# Altium PCB fMAX_MB.PcbDoc (part 12 of 13)
Units mil, origin at the board's own origin, x right, y up, seen from the top; angles counter-clockwise.
Board outline 9175 x 6300 mil, 14 copper layers (TopLayer, Gnd1, MidLayer1, Power1, MidLayer4, Power2, MidLayer2, Power3, MidLayer3, Gnd3, MidLayer6, Gnd2, MidLayer5, BottomLayer); 679 components, 896 nets, 4133 pads, 2341 vias.
Unrouted connection lines stored in the file: 4.
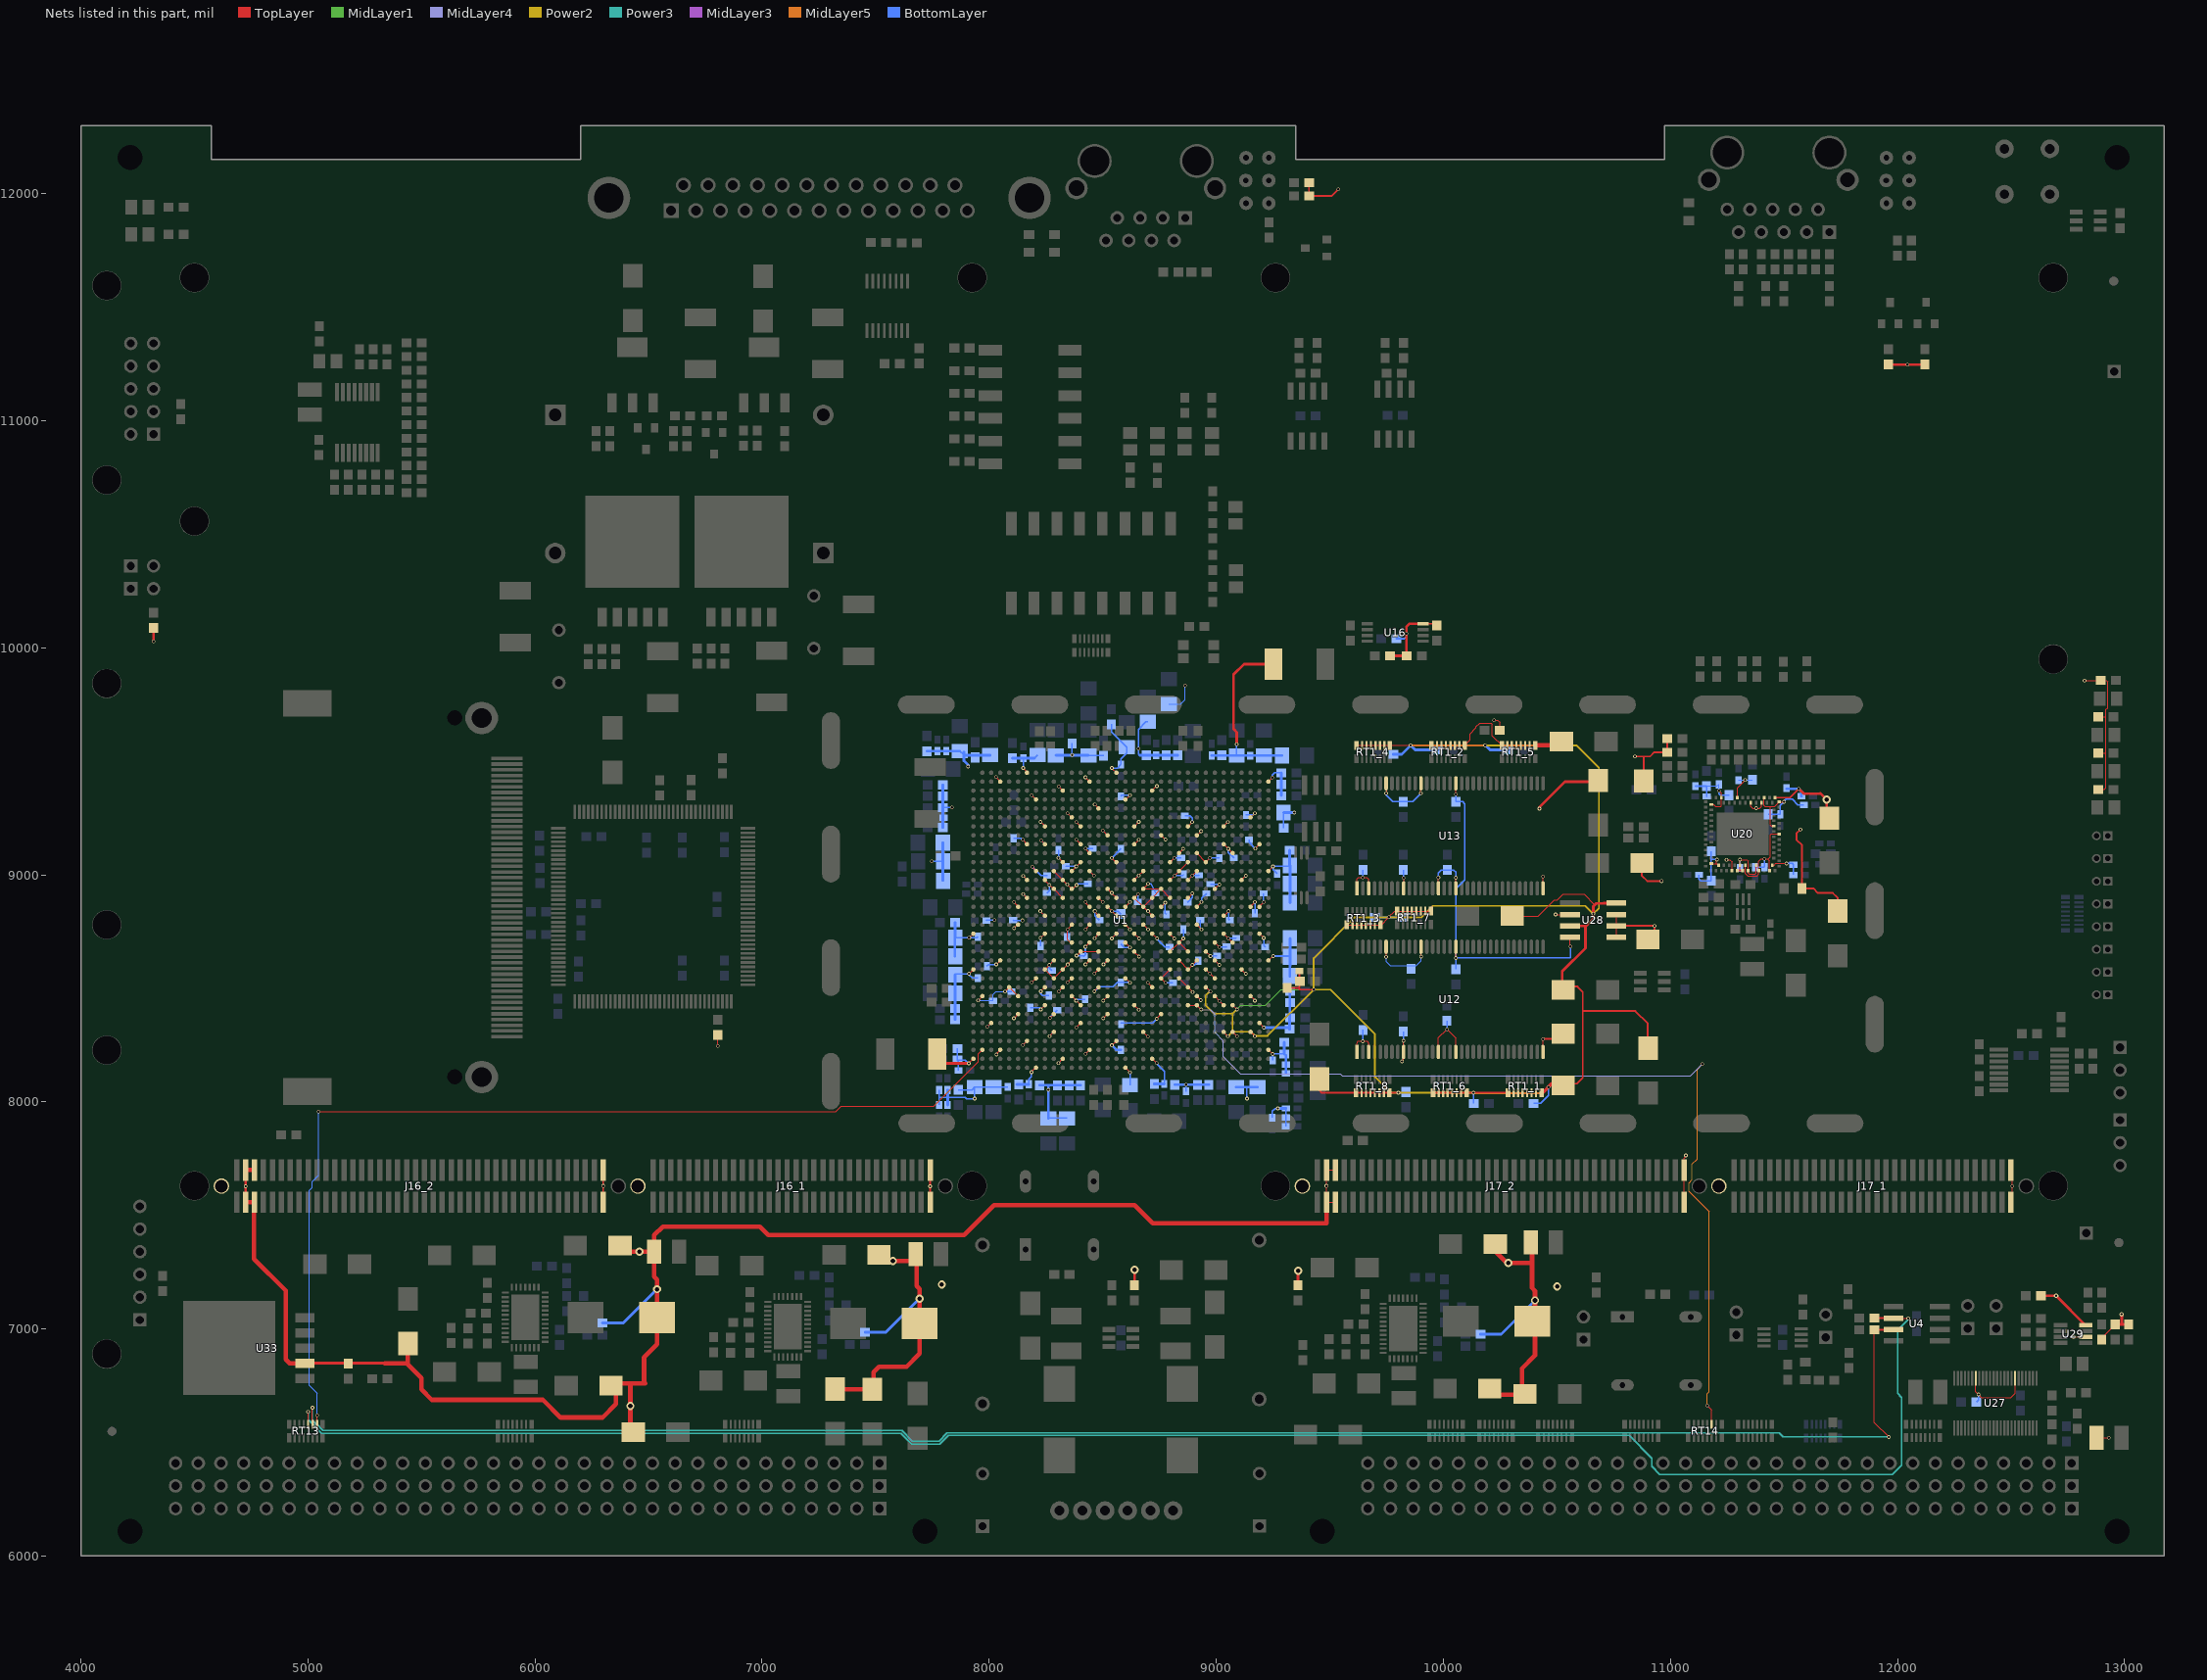
[diagram p24: the nets of this part, all layers, seen from the top]

## Via types
v1: diameter 16, hole 10, TopLayer to BottomLayer, tented both sides, 2192 vias
v2: diameter 36, hole 20, TopLayer to BottomLayer, tented both sides, 84 vias
v3: diameter 20, hole 10, TopLayer to BottomLayer, tented both sides, 61 vias
v4: diameter 160, hole 125, TopLayer to BottomLayer, tented both sides, 4 vias

## Nets (pads, with @x,y where several pads share a name; then routed paths per layer and width w, separated by ;. In a path a pad name is that pad's centre, name@x,y a point inside that pad or via, vN(x,y) a via of type N, cw(c..) or ccw(c..) an arc to the next point about the centre after c; other vN are vias at no path point) (continued)
VME_UD17: RT13.2 U1.AN32 | length 4464.6
  TopLayer w5: v1(5040,6620) 5040.32,6619.68 RT13.2@5040.32,6580 ; v1@5047.42,7957.5 7323.64,7957.5 7347.44,7981.3 7756.89,7981.3 7952,8176.41 7952,8212 7969.13,8229.13 U1.AN32@7969.76,8229.13
  BottomLayer w5: v1(5040,6620) 5040,6718 5006,6752 5006,7609 5019,7622 5019,7648 5047.5,7676.5 v1(5047.5,7957.5)
VME_UD18: R117.2 RT13.3 U4.7 | length 7713.7
  TopLayer w5: RT13.3@5019.69,6580.94 v1(5019.69,6653.54) ; R117.2@11897.46,6997 11897.46,6588.54 v1(11962,6524)
  TopLayer w8: R117.2@11897.46,6997 U4.7@11980.69,6997
  Power3 w6: v1(5019.69,6653.54) 5019.69,6598.43 5066,6552 7615,6552 7661,6506 7779,6506 7815,6542 11478,6542 11496,6524 v1(11962,6524)
VME_UD19: R116.2 RT13.4 U4.6 | length 8107.8
  TopLayer w5: RT13.4@5001,6579.74 v1(5001,6635) ; U4.6@11981.58,7047.88 v1@12051.88,7047.88
  TopLayer w8: R116.2@11897.46,7048 U4.6@11981.46,7048
  Power3 w6: v1(5001,6635) 5001,6600 5060,6541 7610.44,6541 7658.44,6493 7782,6493 7820,6531 10818,6531 10918,6431 10918,6395 10953,6360 11978,6360 12019,6401 12019,6698 12000,6717 12000,6996 v1@12051.88,7047.88
  other v1: 12047.24,7047.24
VME_WRITE_1: RT14.3 U1.J27 U1.K27 | length 4163.2
  TopLayer w5: U1.K27@8875.28,8425.98 U1.J27@8914.65,8425.98 v1(8934,8406.63) ; v1(11161.42,6663.39) 11181.63,6643.17 RT14.3@11181.63,6580.27
  MidLayer5 w5: v1@11140.75,8166.34 11118.11,8143.7 11118.11,7748.91 11095.47,7726.27 11095.47,7656.5 11081.85,7642.88 11081.85,7605.16 11170.28,7516.73 11170.28,6724.41 11161.42,6715.55 v1(11161.42,6663.39)
  MidLayer4 w5: v1(8934,8406.63) 8974.28,8406.63 8994.09,8386.81 8994.09,8306.1 9031.5,8268.7 9031.5,8197.83 9105.32,8124.02 9545.28,8124.02 9555.12,8114.17 11087.6,8114.17 v1(11139.76,8166.34)
VOUT1: C10_1.1 C11_1.1 C12_1.1 C15_1.1 C325.1 J16_2.79 J16_2.80 J16_2.81 J16_2.82 J17_2.79 J17_2.80 J17_2.81 J17_2.82 L3_1.2 R41_1.2 R154.2 U33.2 | length 7673.6
  TopLayer w5: J17_2.79@9524.57,7558.27 J17_2.81@9485.2,7558.27 J17_2.82@9485.2,7700 J17_2.80@9524.57,7700
  TopLayer w12: J16_2.81@4725.2,7558.27 J16_2.82@4725.2,7700 ; U33.2@4986.34,6849.07 5337.84,6849.07 ; R154.2@5177.39,6849.07 R154.2@5178,6848.46
  TopLayer w20: J16_2.81@4725.2,7558.27 J16_2.79@4764.57,7558.27 ; J16_2.82@4725.2,7700 J16_2.80@4764.57,7700 ; J16_2.79@4763,7558.27 4763,7308 4902,7169 4902,6866 4918.93,6849.07 U33.2@4986.34,6849.07 ; 5337.84,6849.07 5434.93,6849.07 5500,6784 5500,6734 5546,6688 6035,6688 6113,6610 6297,6610 6356.77,6669.77 6356.77,6760 6485,6760 6480,6765 6480,6875 6537.48,6932.48 6537.48,7217.52 6524.88,7230.12 C15_1.1@6524.88,7340 ; 5440,6845 C325.1@5440,6930 ; C11_1.1@6336.77,7340 6525,7340 6525,7413 6563,7451 6990,7451 7027,7414 7890,7414 8021,7545 8641,7545 8720,7466 9485,7466 9485.2,7466.2 J17_2.81@9485.2,7558.27 ; 6420,6760 6420,6558.57 C12_1.1@6432.57,6546
  BottomLayer w12: R41_1.2@6297.46,7026 6388.48,7026 v2(6537.48,7175)
  other v1: 4725.2,7628 9485.2,7630
  other v2: 6420,6661 6460,7340
VOUT2: C10_2.1 C11_2.1 C12_2.1 C15_2.1 C27.1 C28.1 C29.1 C32.2 C33.2 C34.2 C35.2 C36.2 C37.2 C38.2 C39.2 C42.2 C46.1 C47.1 C48.1 C49.1 C50.1 C51.1 C52.1 C53.1 C54.1 C55.1 C56.1 C57.1 C58.1 C59.1 C60.1 C61.1 C62.1 C63.1 C64.1 C65.1 C66.1 C67.2 C68.2 C69.2 C70.2 C71.2 C72.2 C73.2 C74.2 C75.2 C76.2 C77.2 C78.2 C79.2 C80.2 C81.2 C82.2 C83.2 C84.2 C85.2 C86.2 C87.2 C88.2 C89.2 C90.2 C91.2 C92.2 C93.2 C94.2 C95.2 C96.2 C97.2 C98.2 C99.2 C100.2 C101.2 C102.2 C103.2 C104.2 C105.2 C106.2 C107.2 C108.2 C109.2 C110.2 C111.2 C130.2 C131.2 C132.2 C133.2 C134.2 C135.2 C136.2 C137.2 C138.2 C139.2 C140.2 C141.2 C142.2 C143.2 C144.2 C145.2 C146.2 C147.2 C148.1 C236.2 C237.2 C238.2 C239.2 C240.2 C241.2 C242.2 C243.1 C244.2 C245.2 C246.1 C265.2 C266.2 C267.2 C268.2 C269.2 C270.1 CT3.1 CT4.1 J16_1.1 J16_1.2 J16_2.1 J16_2.2 J17_1.1 J17_1.2 J17_2.1 J17_2.2 L3.1 L3_2.2 R15.2 R19.1 R21.2 R22.2 R41_2.2 R50.2 R52.1 R53.2 R55.2 R56.1 R59.2 R61.2 R64.2 R75.2 R78.2 R82.2 R95.2 R101.2 R103.2 R127.2 R129.2 R134.2 R135.2 U1.A2 U1.A12 U1.A22 U1.A32 U1.AA2 U1.AA10 U1.AA12 U1.AA22 U1.AA32 U1.AB9 U1.AB27 U1.AB29 U1.AC6 U1.AC24 U1.AC26 U1.AD3 U1.AD11 U1.AD33 U1.AE30 U1.AF7 U1.AF17 U1.AF25 U1.AF27 U1.AG4 U1.AG12 U1.AG24 U1.AG34 U1.AH1 U1.AH9 U1.AH31 U1.AJ16 U1.AJ18 U1.AJ26 U1.AJ28 U1.AK25 U1.AL2 U1.AL22 U1.AL32 U1.AM29 U1.AN26 U1.AP19 U1.AP23 U1.AP33 U1.B9 U1.B16 U1.B19 U1.B29 U1.C6 U1.C16 U1.C26 U1.D13 U1.D23 U1.E10 U1.E20 U1.E30 U1.F7 U1.F9 U1.F17 U1.F19 U1.F27 U1.G14 U1.G24 U1.G26 U1.H11 U1.H21 U1.H23 U1.J8 U1.J10 U1.J18 U1.K15 U1.K25 U1.L24 U1.M11 U1.M19 U1.N8 U1.N16 U1.P3 U1.P25 U1.P33 U1.R18 U1.R30 U1.T7 U1.T9 U1.T27 U1.U4 U1.U16 U1.U24 U1.U34 U1.V1 U1.V11 U1.V19 U1.V31 U1.W8 U1.W26 U1.W28 U1.Y5 U1.Y15 U1.Y17 U1.Y25 U12.1 U12.3 U12.9 U12.15 U12.18 U12.33 U12.55 U12.61 U13.1 U13.3 U13.9 U13.15 U13.18 U13.33 U13.55 U13.61 U16.8 U20.5 U20.21 U20.26 U20.48 U20.52 U20.59 U20.60 U20.61 U20.63 U20.66 U20.72 U20.88 U20.96 U27.7 U27.18 U28.2 U28.5 U28.6 U28.7 U29.8 | length 17495.7
  TopLayer w4: U20.48@11180,9049.45 11202,9049.45 ; U20.26@11180,9309.29 11188.71,9309.29 11198,9300 11223,9300 ; v1@11203,9065 11202,9064 11202,9049.45 ; U20.52@11211.97,9041 11211.26,9041.7 11203.52,9049.45 11202,9049.45 ; v1(11213,9370) 11223.78,9359.22 U20.21@11223.78,9340 11223.78,9300.78 ; v1(11306.46,9066.54) 11336.46,9066.54 11341.89,9061.11 U20.63@11341.89,9018.74 11341.89,9008.5 11346.46,9003.94 11374.02,9003.94 11377.32,9007.24 U20.66@11377.32,9042.41 ; U20.5@11412.76,9340 11412.76,9305.24 11417,9301 11439.96,9301 ; U20.72@11448.19,9042.41 11456.41,9042.41 11464,9050 v1(11511,9050) ; U20.88@11455,9214.8 11444.65,9214.8 11439.96,9219.49 11439.96,9301 ; U20.96@11478.9,9321.1 11458.8,9301 11439.96,9301
  TopLayer w5: v1(6805,8246) R82.2@6805,8295.54 ; C148.1@7771.17,8210 7771.17,8196.83 C148.1@7798,8170 ; v1(7910,8170) 7929.76,8189.76 U1.AP33@7930.39,8189.76 ; v1(7911,8564) 7930.39,8583.39 U1.AP23@7930.39,8583.46 ; v1(7912,8723) 7929.94,8740.94 U1.AP19@7930.39,8740.94 ; v1@7952,8447 7969.76,8464.76 U1.AN26@7969.76,8465.35 ; v1@7991,8329 7991.5,8329.5 8009.13,8347.13 U1.AM29@8009.13,8347.24 ; v1(8030,9430) 8048.5,9411.5 U1.AL2@8048.5,9410.24 ; v1(8031,8605) 8048.5,8622.5 U1.AL22@8048.5,8622.83 ; v1(8031.5,8208.66) 8048.13,8229.13 U1.AL32@8048.5,8229.13 ; v1(8070,8486) U1.AK25@8087.87,8504.72 ; U1.AK25@8087.72,8504.72 U1.AK25@8087.87,8504.72 ; v1(8109,8368) 8127.24,8386.24 U1.AJ28@8127.24,8386.61 ; v1(8110,8765) 8125.31,8780.31 U1.AJ18@8127.24,8780.31 ; v1(8110,8880) U1.AJ16@8127.24,8859.06 ; U1.AJ26@8127.24,8465.35 U1.AK25@8087.87,8504.72 ; v1(8148,8250) 8166.5,8268.5 U1.AH31@8166.61,8268.5 ; v1(8148,9154) 8166.61,9135.39 U1.AH9@8166.61,9134.65 ; v1(8150,9470) 8166.61,9453.39 U1.AH1@8166.61,9449.61 ; v1(8186,8131) 8205.39,8150.39 U1.AG34@8205.98,8150.39 ; v1(8188,8526) 8205.98,8543.98 U1.AG24@8205.98,8544.09 ; v1(8188,9350) 8205.98,9332.02 U1.AG4@8205.98,9331.5 ; v1(8190,9035) 8205.98,9019.02 U1.AG12@8205.98,9016.54 ; v1(8225,8840) U1.AF17@8245.32,8819.68 ; v1(8226,9233) 8245.35,9213.65 U1.AF7@8245.35,9213.39 ; v1(8227,8407) 8245.35,8425.35 U1.AF27@8245.35,8425.98 ; v1(8227,8487) 8244.72,8504.72 U1.AF25@8245.35,8504.72 ; v1(8266,8289) 8284.72,8307.72 U1.AE30@8284.72,8307.87 ; v1(8305,8171) 8323.76,8189.76 U1.AD33@8324.09,8189.76 ; v1(8305,9075) U1.AD11@8324.09,9055.91 ; v1(8306,9389) U1.AD3@8324.09,9370.87 ; v1(8345,8526) 8363.09,8544.09 U1.AC24@8363.46,8544.09 ; v1(8345,9271) 8363.24,9252.76 U1.AC6@8363.46,9252.76 ; U1.AC26@8363.35,8465.35 U1.AC26@8363.46,8465.35 ; U1.AC26@8363.41,8465.3 8382.88,8445.88 U1.AB27@8402.83,8425.98 ; v1(8384,8328) 8402.83,8346.83 U1.AB29@8402.83,8347.24 ; v1(8384,9154) 8402.83,9135.17 U1.AB9@8402.83,9134.65 ; v1(8424,8605) 8441.83,8622.83 U1.AA22@8442.2,8622.83 ; v1(8424,9429) 8442.2,9410.8 U1.AA2@8442.2,9410.24 ; v1(8425,8212) 8442.13,8229.13 U1.AA32@8442.2,8229.13 ; v1(8425,9115) 8425,9112.48 U1.AA10@8442.2,9095.28 ; U1.AA12@8442.2,9016.54 v1(8461,8997) ; v1(8464,8487) 8481.57,8504.57 U1.Y25@8481.57,8504.72 ; v1(8465,8840) 8465,8836.26 U1.Y17@8481.57,8819.68 ; v1(8465,9310) 8481.57,9293.43 U1.Y5@8481.57,9292.13 ; U1.Y15@8481.57,8898.43 v1(8500,8880) ; v1(8500,9195) U1.W8@8520.94,9174.06 ; v1(8502,8368) 8520.61,8386.61 U1.W28@8520.94,8386.61 ; v1(8502,8446) 8520.94,8464.94 U1.W26@8520.94,8465.35 ; v1(8540,8249) U1.V31@8560.32,8268.5 ; v1(8540,8720) 8560.32,8740.32 U1.V19@8560.32,8740.94 ; v1(8540,9075) 8559.09,9055.91 U1.V11@8560.32,9055.91 ; v1(8540,9470) 8560.32,9449.68 U1.V1@8560.32,9449.61 ; U1.U34@8599.69,8150.39 8599.69,8150.31 v1(8620,8130) ; U1.U24@8599.69,8544.09 8600.91,8544.09 v1(8620,8525) ; U1.U16@8599.69,8859.06 8599.69,8859.69 v1(8620,8880) ; U1.U4@8599.69,9331.5 8601.5,9331.5 v1(8620,9350) ; U1.T27@8639.06,8425.94 v1(8659,8406) ; U1.T9@8639.06,9134.65 8639.65,9134.65 v1(8659,9154) ; U1.T7@8639.06,9213.39 8639.39,9213.39 v1(8659,9233) ; U1.R30@8678.43,8307.87 8678.43,8307.57 v1(8699,8287) ; U1.R18@8678.43,8780.31 8679.69,8780.31 v1(8700,8760) ; v1(8698,8524) 8717.54,8504.46 8717.8,8504.2 U1.P25@8717.8,8504.72 ; U1.P33@8717.8,8189.76 8718.24,8189.76 v1(8737,8171) ; U1.P3@8717.8,9370.87 8717.8,9371.8 v1(8738.19,9390.75) ; U1.N16@8757.17,8859.06 8759.06,8859.06 v1(8775,8877) ; U1.N8@8757.17,9174.02 8757.17,9173.83 v1(8776,9155) ; U1.M19@8796.54,8740.94 8796.54,8738.46 v1(8815,8720) ; U1.M11@8796.54,9055.91 8796.91,9055.91 v1(8815,9074) ; U1.L24@8835.91,8544.09 U1.K25@8875.28,8504.72 v1(8896,8484) ; U1.K15@8875.28,8898.43 8875.43,8898.43 v1(8895,8918) ; U1.J10@8914.65,9095.28 8914.65,9095.65 8914.83,9095.46 U1.H11@8954.02,9055.91 8954.02,9056.02 v1(8972,9074) ; U1.J8@8914.65,9174.02 8915.02,9174.02 v1(8933,9192) ; U1.J18@8914.69,8780.31 v1(8935,8760) ; U1.H23@8954.02,8583.46 v1(8972.53,8564.95) U1.G24@8993.39,8544.09 ; U1.H21@8954.02,8662.2 8954.02,8661.98 v1(8974,8642) ; U1.G26@8993.39,8465.35 v1(9013.56,8445.18) U1.F27@9032.76,8425.98 ; U1.G14@8993.39,8937.8 8993.8,8937.8 v1(9013,8957) ; U1.F19@9032.76,8740.94 v1(9052.81,8720.89) U1.E20@9072.13,8701.57 ; U1.F17@9032.76,8819.68 9034.68,8819.68 v1(9055,8840) ; U1.F9@9032.76,9134.76 U1.F9@9032.76,9134.65 v1(9052.99,9114.41) U1.E10@9072.13,9095.28 ; U1.F7@9032.76,9213.39 9032.76,9213.76 v1(9051,9232) ; U1.E30@9072.13,8307.87 v1(9091,8289) ; U1.D23@9111.5,8583.46 9111.5,8582.5 v1(9130,8564) ; U1.D13@9111.5,8977.17 9111.5,8977.5 v1(9130,8996) ; U1.C26@9150.87,8465.35 9150.87,8465.13 v1(9170,8446) ; U1.C16@9150.87,8859.06 9150.87,8860.87 v1(9170,8880) ; U1.C6@9150.87,9252.76 9151.76,9252.76 v1(9170,9271) ; v1(9172,9116) 9190.24,9134.24 U1.B9@9190.24,9134.65 ; U1.B29@9190.24,8347.24 9190.24,8346.76 v1(9210,8327) ; U1.B19@9190.24,8740.94 9190.24,8740.76 v1(9209,8722) ; U1.B16@9190.24,8859.06 9190.24,8860.24 v1(9210,8880) ; U1.A32@9229.61,8229.13 9229.87,8229.13 v1(9248,8211) ; U1.A22@9229.61,8622.83 9229.61,8622.39 9229.83,8622.59 v1(9251,8642) ; U1.A12@9229.61,9016.54 9229.61,9016.61 v1(9250,9037) ; U1.A2@9229.61,9410.24 9229.61,9410.61 v1(9247,9428) ; U12.1@9620,8220 9620,8255 9624,8267 v1(9646,8267) 9665,8267 9671.18,8256.82 U12.3@9671.18,8220 ; U13.1@9620,8940 9620,8981 9627,8988 v1(9645,8988) 9663,8988 9671.18,8979.82 U13.3@9671.18,8940 ; v1(9747.95,8639.05) U12.61@9747.95,8682.99 ; U13.61@9747.95,9402.99 v1(9748,9359) ; v1(9818,8178) 9824.72,8184.72 U12.9@9824.72,8220 v1(9824.72,8268.72) ; v1(9824,8986) U13.9@9824.72,8940 ; v1(9901,9359) U13.55@9901.5,9402.99 ; v1(9901.5,8639.5) U12.55@9901.5,8682.99 ; U12.15@9978.27,8220 9978.27,8282.27 v1(10016,8320) 10055.04,8280.96 U12.18@10055.04,8220 ; U13.15@9978.27,8940 v1(9978.27,8987.73) ; U13.18@10055.04,8940 v1(10055.04,8987.04) ; v1(10223.43,9680.12) 10239.17,9680.12 10248.46,9670.83 R15.2@10248.46,9636 ; U12.33@10438.9,8220 v1(10438.9,8276.9) ; U13.33@10438.9,8940 v1(10438.9,8992.9) ; v1(10494,8825) U28.2@10557.64,8825 ; U28.5@10762.36,8725 U28.6@10762.36,8775 U28.7@10762.36,8825 ; J17_2.1@11060,7558.27 J17_2.2@11060,7700 11060,7751.93 11067.91,7759.84 v1(11067.91,7763.78) ; U20.59@11294.65,9018.74 11305.74,9018.74 11306.46,9019.46 11306.46,9020 ; v1(11306.46,9066.54) U20.60@11306.46,9042.41 11306.46,9020 ; U20.61@11318.27,9018.74 11307.72,9018.74 11306.46,9020 ; U20.96@11478.9,9321.1 v1(11500.1,9321.1) ; U27.18@12344.39,6781.52 12344.39,6723.61 v1(12356.37,6711.63) 12370,6698 12498,6698 12517.61,6717.61 U27.7@12517.61,6781.52 ; J17_1.1@12500,7558.27 12504.92,7592.52 v1(12504.92,7629.92) 12504.92,7664.37 J17_1.2@12500,7700 ; v1(12823.22,9855.78) R50.2@12893.86,9855.78 12920.22,9855.78 12926,9850 12926,9735 12918,9727 12918,9382 12911.78,9375.78 R55.2@12883.86,9375.78 ; CT3.1@12876.88,6521 v1(12930,6521) ; R53.2@12883.86,9535.78 12917.78,9535.78 ; R59.2@12883.86,9695.78 12916.78,9695.78 ; R129.2@12898.32,6952.6 12898.32,6958.2 12958.98,7018.86 R134.2@12959.65,7019.53
  TopLayer w8: J16_2.1@6300,7558.27 v1(6300,7630) J16_2.2@6300,7700 ; J16_1.1@7740,7560 v1(7740,7628) J16_1.2@7740,7700 ; R64.2@9408.46,12047 R61.2@9408.46,11989 9507,11989 v1(9537,12019) ; U16.8@9910.38,10105.68 9962.78,10105.68 R21.2@9971,10097.46 ; v1(10438.9,8276.9) 10500.13,8276.9 C27.1@10523.23,8300 ; U28.6@10790,8775 10870,8775 ; v1(10843.5,9520.67) 10910.43,9520.67 10929.76,9540 R56.1@10986.54,9540 ; 10872.23,8775 v1(10930,8775) C29.1@10930,8720 ; C246.1@10874.43,9051 10874.43,8995.57 10897.56,8972.44 v1(10960.63,8972.44) ; C243.1@10882,9435.23 10882,9520.56 ; R52.1@10986.54,9600 R56.1@10986.54,9540 ; R56.1@10986.85,9540 R56.1@10986.54,9540 ; v1(11573,9200) 11555,9182 11555,9155 11579.37,9130.63 L3.1@11579.37,8940 11630,8940 11650,8920 11715,8920 11736,8899 C270.1@11736,8840.43
  TopLayer w12: v1(4320,10028) R95.2@4320,10086.53 ; C148.1@7798,8170 v1(7910,8170) ; R75.2@8640,7193.46 v2(8640,7259.84) ; R78.2@9360,7193.46 v2(9360,7255.9) ; R19.1@9764.46,9964 R22.2@9837,9964 ; R22.2@9837.54,9964 R22.2@9837,9964 ; U16.8@9910.38,10105.68 9851.68,10105.68 9837,10091 v1(9837,10062) R22.2@9837,9964 ; v1(10423.23,9291.34) 10423.23,9298.23 10535,9410 10682,9410 C28.1@10685,9410 ; R103.2@11960,11246.53 v1(12044,11246.53) R101.2@12120,11246.53 ; R127.2@12631.78,7146.06 v3(12698.55,7146.06) U29.8@12828.55,7016.06 ; R134.2@12958.32,7019.53 12959.65,7019.53 12987,7019.53 ; v3(12987,7065) 12987,7019.53 ; R135.2@13018.32,7019.53 12987,7019.53
  TopLayer w20: C10_2.1@7320,6735 7322,6735 7486,6735 7490,6735 7490,6810 7513.93,6833.93 7636.17,6833.93 7693.65,6891.41 7693.65,7025 v2(7693.65,7133.93) 7693.65,7176.45 7681.06,7189.05 C15_2.1@7681.06,7298.93 ; C11_2.1@7492.94,7298.93 7514.43,7298.93 v2(7576.17,7298.93) 7676.88,7298.93 C15_2.1@7681.06,7298.93 ; C15_2.1@7681.17,7298.93 C15_2.1@7681.06,7298.93
  BottomLayer w5: v1(7951,8447) C68.2@8015.6,8447 ; C68.2@8017.41,8445 8017.41,8473.12 8030.29,8486 v1(8070,8486) ; C141.2@8792,9750.88 8842.42,9750.88 8862.2,9770.67 v1(8862.2,9833.66) ; v1(9747.95,8639.05) 9747.95,8618.05 9766.54,8599.46 9858,8599.46 9880.46,8599.46 9901.5,8620.5 v1(9901.5,8639.5) ; C242.2@11159,9390.54 11205.13,9390.54 C244.2@11213,9398.41 v1(11213,9370)
  BottomLayer w6: v1(7747,9059) 7796.12,9059 C135.2@7797.12,9059 ; C89.2@7796.46,9296 v1(7836,9296) v1@7837,9296 ; C137.2@7849,8721.88 C137.2@7850.12,8723 v1(7912,8723) 7945.41,8723 C69.2@7950,8727.59 ; C139.2@7850.12,8560 7854.12,8564 v1(7911,8564) 7911,8560 7925.59,8545.41 C71.2@7950,8545.41 ; C92.2@7860.46,8235 C93.2@7860.46,8184 ; C73.2@7864.41,8139 7864.41,8180.06 C93.2@7860.46,8184 ; v1(7910,8170) 7907,8170 7893,8184 C93.2@7860.46,8184 ; C76.2@7990,8597.41 7997.59,8605 v1(8031,8605) ; v1(8070,8486) 8097.41,8486 C75.2@8098.41,8485 ; C51.1@8107,9160.59 8139.41,9160.59 8146,9154 v1(8148,9154) ; C52.1@8149.88,9513.53 C52.1@8150,9513.41 v1(8150,9470) ; C74.2@8175,8077.59 8175,8099 8186,8110 v1(8186,8131) ; C67.2@8181,8414.59 8223.41,8414.59 8227,8411 v1(8227,8407) ; v1(8190,9035) 8228,8997 C46.1@8255.41,8997 ; C140.2@8199.65,9513.54 C140.2@8213,9526.88 ; v1(8227,8487) 8227,8476 8235,8468 C70.2@8262.59,8468 ; v1(8305,9075) C54.1@8305,9109.41 ; v1(8383,8446) 8383,8448 8386.59,8451.59 C72.2@8423,8451.59 ; v1(8425,9115) C55.1@8456.41,9115 ; v1(8464,8487) 8465.35,8487 8485.24,8506.89 8546.26,8506.89 8564.96,8525.59 C78.2@8580,8525.59 8619.41,8525.59 v1(8620,8525) ; v1(8465,8840) 8465,8820.59 C49.1@8485.59,8800 ; C103.2@8538,9662.54 8538,9628.88 C142.2@8605,9561.88 8605,9535 8580,9510 C62.1@8580,9488 ; v1(8540,9075) 8540.59,9075 C48.1@8580,9114.41 ; v1(8540,9470) 8564.41,9470 C62.1@8580,9485.59 ; C50.1@8580,9345.59 8584.41,9350 v1(8620,9350) ; C143.2@8620,8074.12 v1(8620,8130) ; v1(8737,8171) 8737,8169 8771,8135 C86.2@8771,8079.59 ; v1(8775,8877) 8775,8830.59 C56.1@8780,8825.59 ; v1(8815,9074) 8844.41,9074 C59.1@8845.41,9075 ; C57.1@8873.59,8879 8895,8900.41 v1(8895,8918) ; C81.2@8929.41,8800 8929.41,8765.59 v1(8935,8760) ; v1(8972,9074) 9012.41,9074 C58.1@9013,9073.41 ; v1(8974,8642) 9002.41,8642 C79.2@9003.41,8643 ; C60.1@8974.59,8959 8976.59,8957 v1(9013,8957) ; v1(9052.81,8720.89) 9086.3,8720.89 C80.2@9087.41,8722 ; v1(9052.99,9114.41) 9052.99,9098.42 C64.1@9077.41,9074 ; v1(9055,8840) 9055,8804.41 C66.1@9059.41,8800 ; C47.1@9131,9263.59 9162.59,9263.59 v1(9170,9271) ; C63.1@9144.59,9154 9144.59,9143.41 v1(9172,9116) ; C82.2@9170,8830.59 v1(9170,8880) ; v1@9171,8446 v1@9171,8447 ; C61.1@9208.59,8918 9208.59,8881.41 v1(9210,8880) ; v1(9209,8722) 9209,8688.59 C87.2@9215.59,8682 ; v1(9247,9428) 9247,9438 9258,9449 C94.2@9286.54,9449 ; C83.2@9248,8182.59 v1(9248,8211) C99.2@9299.54,8211 ; C65.1@9268,9005.59 9250,9023.59 v1(9250,9037) C130.2@9323.88,9037 ; C96.2@9285.54,9348 C96.2@9286.54,9349 ; C104.2@9296.54,9206 C144.2@9296.88,9274 ; C99.2@9300.54,8211 C99.2@9306.41,8205.13 ; C134.2@9320.88,8642 9324.68,8638.21 C134.2@9324.88,8638 ; v1(9645,8988) 9646,8989 C36.2@9646,9021.54 ; v1(9646,8267) C32.2@9646,8316.54 ; v1(9748,9359) 9748,9350 9776.54,9321.46 C39.2@9824,9321.46 9865.54,9321.46 9901,9356.93 v1(9901,9359) ; v1(9824,8986) C37.2@9824,9021.54 ; v1(9824.72,8268.72) C33.2@9824.72,8309.81 ; v1(9978.27,8987.73) 9978.27,9008.27 9991.54,9021.54 C38.2@10018,9021.54 10044.46,9021.54 10055.04,9010.96 v1(10055.04,8987.04) ; v1(10016,8320) C34.2@10016,8356.54 ; C245.2@11125.59,9000 11125.59,8982.41 11134.54,8973.46 C238.2@11180,8973.46 11180,9067 ; C269.2@11180,9103.54 11180,9067 ; v1(11205,9067) 11180,9067 ; v1(11213,9370) 11213,9358 11220.54,9350.46 C267.2@11258,9350.46 ; C241.2@11431,9266.46 11483.87,9266.46 C265.2@11484,9266.59 11484,9305 v1(11500.1,9321.1) 11500.1,9323.1 11510,9333 11536,9333 11561,9308 C239.2@11587.41,9308 ; v1(11511,9050) 11536.41,9050 C268.2@11541.41,9045 C236.2@11541.41,9000.41 ; CT4.1@12347.46,6678 12356.37,6686.9 v1(12356.37,6711.63)
  BottomLayer w8: v1(9251,8642) C134.2@9320.88,8642 ; C42.2@9792.46,10040 9829,10040 9837,10048 v1(9837,10062) ; C266.2@11110,9390.41 11158.87,9390.41 11159.59,9389.69 C240.2@11159.59,9345 ; C237.2@11306.46,9031.05 v1(11306.46,9066.54)
  BottomLayer w12: R41_2.2@7453.64,6984.93 7544.65,6984.93 v2(7693.65,7133.93) ; C136.2@7796.12,8975 7796.12,9059 C146.2@7796.12,9141 ; C90.2@7796.46,9208 7796.47,9252 C89.2@7796.46,9296 C88.2@7796.46,9346 C101.2@7796.46,9396 ; C138.2@7849,8642 C137.2@7849,8721.88 ; C137.2@7849.46,8723.65 C102.2@7849.46,8790 ; C106.2@7850,8363 7850.03,8412 C147.2@7850.12,8478 C139.2@7850.12,8560 ; C100.2@8102,9513.54 8149.88,9513.53 8150,9513.53 C140.2@8199.65,9513.53 ; C108.2@8122,8077.46 C108.2@8130,8077.46 C74.2@8174.87,8077.46 ; v1(8540,8249) 8540.37,8249 8559.96,8229.41 C77.2@8580,8229.41 ; C109.2@8727,8079.46 C86.2@8770.87,8079.46 ; v1(9210,8327) 9316.54,8327 C111.2@9323.54,8320 C97.2@9323.54,8370.54 ; C96.2@9286.53,9349 9286.53,9398 C94.2@9286.54,9449 ; C144.2@9296.88,9274 v1(9344,9274) ; C99.2@9299.54,8211 C98.2@9299.54,8262 ; C85.2@9306.41,8126 C84.2@9306.41,8165 C99.2@9306.41,8205.12 ; C130.2@9323.54,9042.35 C105.2@9323.54,9108 ; C145.2@9324.46,8554 9324.67,8638 9324.68,8638.21 C133.2@9324.88,8720 ; C97.2@9324.54,8372 C107.2@9324.54,8437 C110.2@9324.54,8487 ; C132.2@9324.88,8877 C131.2@9324.88,8960 C130.2@9324.88,9041 ; v1@9835,10062 v1(9837,10062)